# Altium PCB 10红外遥控OK.PcbDoc
Units mm, origin at the board's own origin, x right, y up, seen from the top; angles counter-clockwise.
Board outline 29.69 x 23.87 mm, 2 copper layers (Top Layer, Bottom Layer); 2 components, 7 nets, 20 pads, 18 vias.
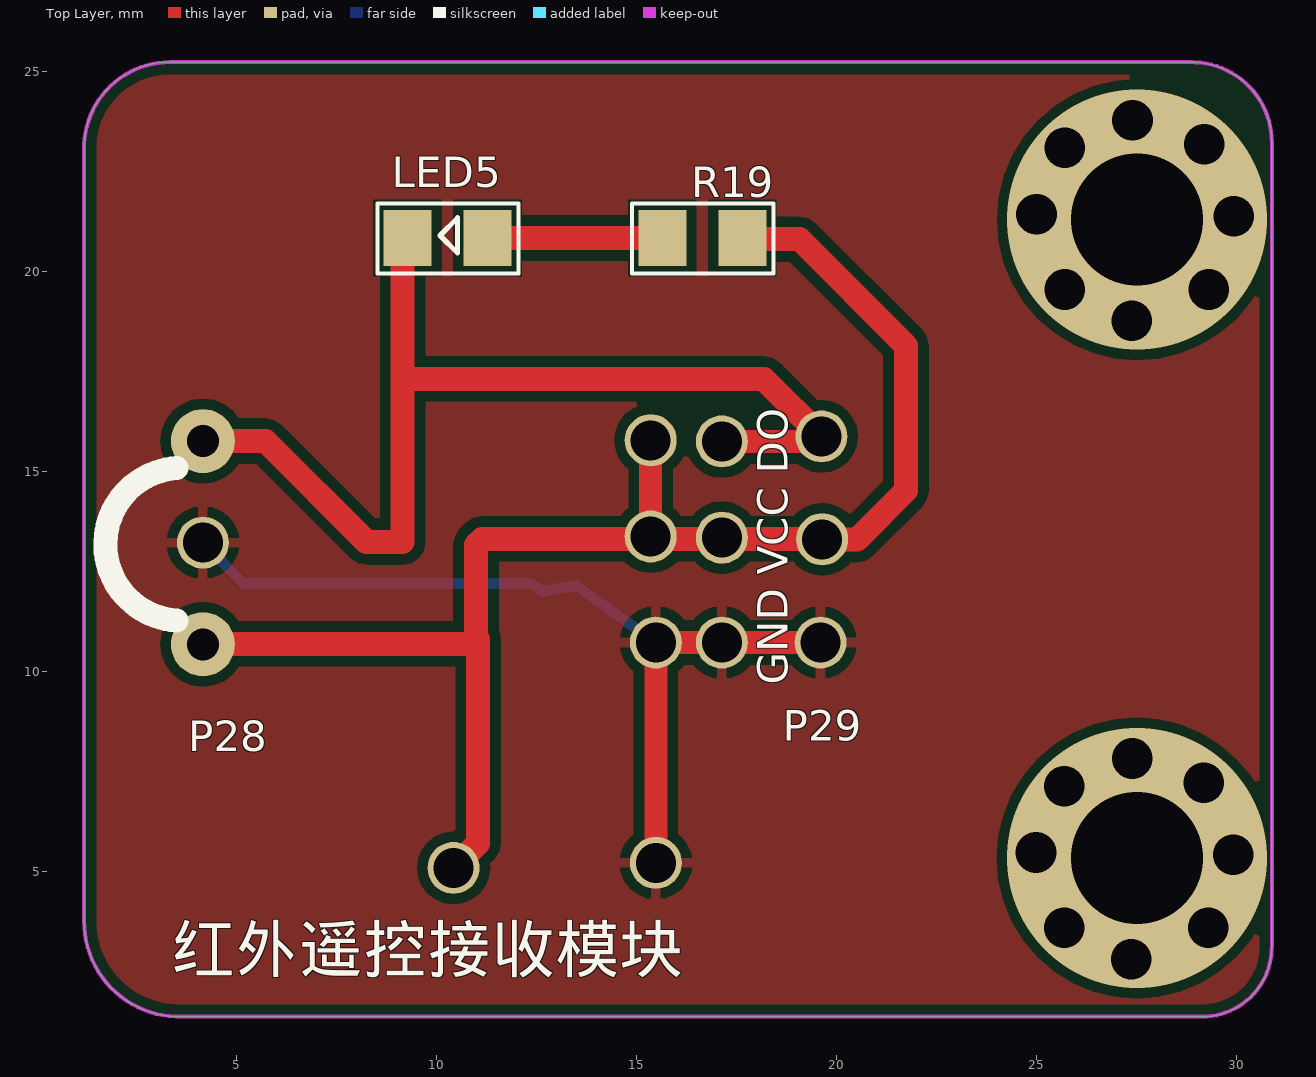
[diagram p0: Top Layer view]
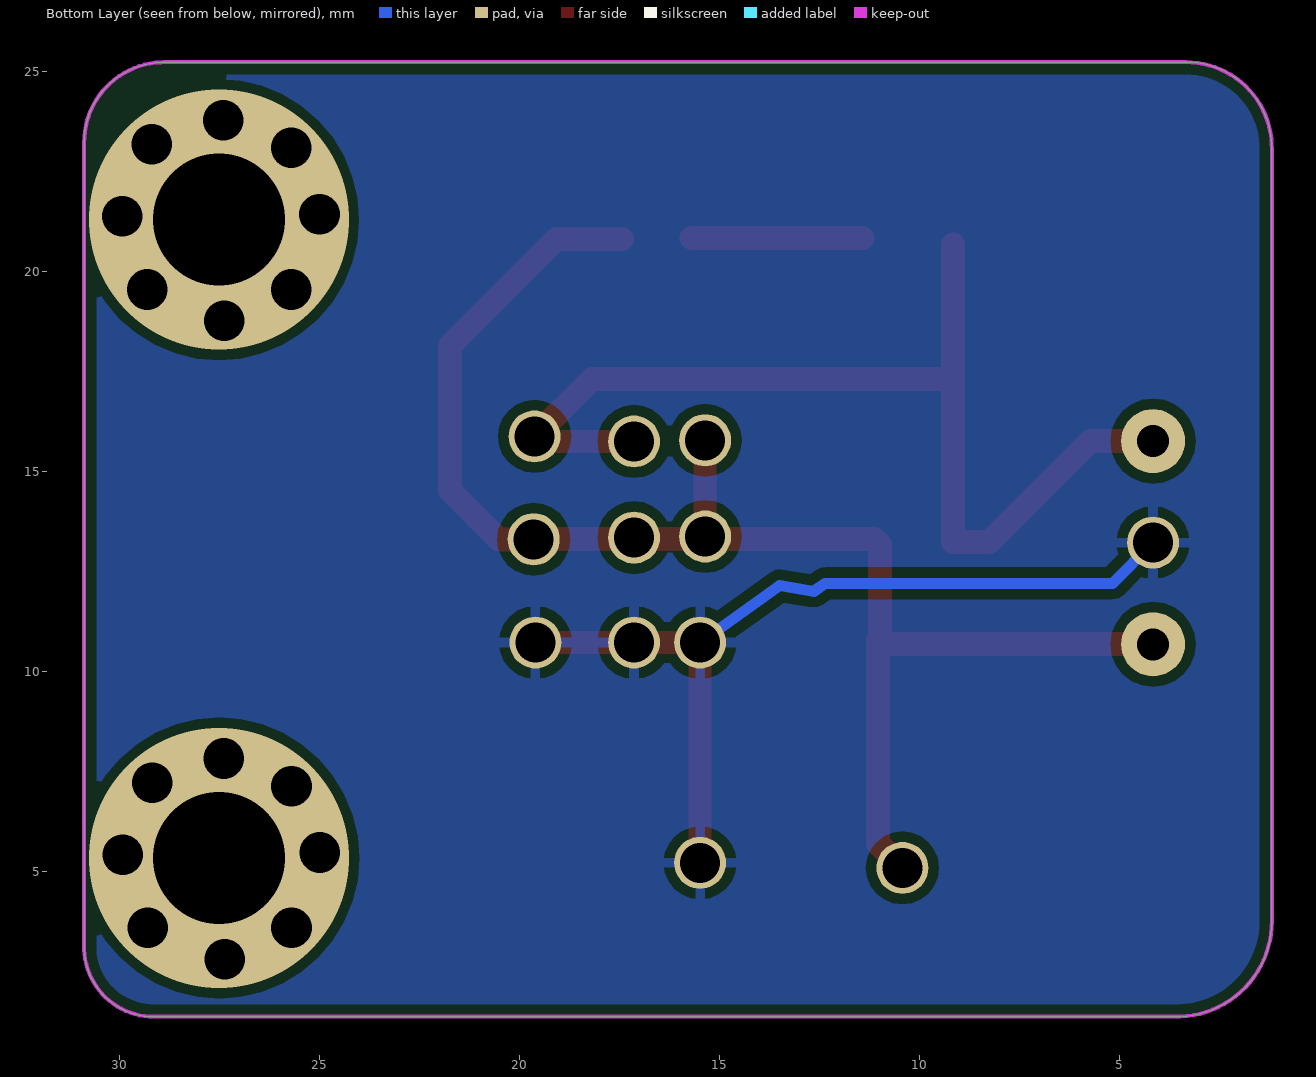
[diagram p1: Bottom Layer view, seen from below]

## Layer stack, top to bottom
Top Solder: solder mask 0.0102, Solder Resist, Dk 3.5
Top Layer: signal copper 0.0356
Dielectric1: dielectric 0.32, FR-4, Dk 4.8
Bottom Layer: signal copper 0.0356
Bottom Solder: solder mask 0.0102, Solder Resist, Dk 3.5

## Board outline
1.56,2.485 1.477,2.63 1.405,2.779 1.343,2.934 1.292,3.092 1.252,3.254 1.224,3.418 1.207,3.583 1.202,3.749 1.202,23.088 1.203,23.163 1.214,23.312 1.236,23.46 1.267,23.606 1.309,23.75 1.361,23.89 1.422,24.027 1.492,24.159 1.572,24.285 1.66,24.406 1.757,24.52 1.861,24.627 1.973,24.727 2.091,24.819 2.215,24.902 2.345,24.976 2.479,25.041 2.618,25.097 2.761,25.142 2.906,25.178 3.053,25.204 3.202,25.219 3.351,25.223 3.344,25.223 28.893,25.223 28.9,25.221 28.969,25.219 29.109,25.209 29.247,25.189 29.383,25.16 29.517,25.121 29.649,25.073 29.776,25.015 29.899,24.949 30.017,24.875 30.13,24.793 30.237,24.702 30.337,24.605 30.43,24.501 30.515,24.391 30.593,24.275 30.662,24.154 30.723,24.028 30.775,23.898 30.818,23.765 30.851,23.63 30.875,23.492 30.889,23.353 30.894,23.214 30.894,3.095 30.892,3.034 30.883,2.912 30.866,2.792 30.84,2.673 30.806,2.556 30.764,2.442 30.714,2.331 30.657,2.224 30.592,2.121 30.52,2.023 30.442,1.93 30.357,1.843 30.266,1.762 30.17,1.687 30.069,1.62 29.964,1.559 29.854,1.506 29.741,1.461 29.626,1.424 29.508,1.395 29.388,1.374 29.267,1.362 29.145,1.358 29.151,1.358 3.577,1.358 3.494,1.36 3.328,1.372 3.163,1.396 3.001,1.431 2.841,1.477 2.685,1.535 2.533,1.603 2.387,1.682 2.246,1.77 2.112,1.868 1.985,1.976 1.865,2.092 1.754,2.216 1.652,2.347

## Design rules (kind name [scope] priority, off if disabled: settings)
Clearance CAM_Clearance_2 [OnLayer('Top Layer')] p1: gap=0.254 ignorepadtopadclearanceinfootprint=FALSE except(0: Arc-Hole Track-Hole SMDPad-Hole THPad-Hole Via-Hole Fill-Hole Poly-Hole Region-Hole Text-Hole)
Clearance CAM_Clearance_1 [OnLayer('Bottom Layer')] p2: gap=0.254 ignorepadtopadclearanceinfootprint=FALSE except(0: Arc-Hole Track-Hole SMDPad-Hole THPad-Hole Via-Hole Fill-Hole Poly-Hole Region-Hole Text-Hole)
Clearance [All] p3: gap=0.254 ignorepadtopadclearanceinfootprint=FALSE except(0: Arc-Hole Track-Hole SMDPad-Hole THPad-Hole Via-Hole Fill-Hole Poly-Hole Region-Hole Text-Hole)
PolygonConnect PolygonConnect_1 [isvia] p1: connectstyle=Direct reliefconductorwidth=0.254 reliefentries=4 polygonreliefangle="90 Angle" airgapwidth=0.254
PolygonConnect [All] p2: connectstyle=Relief reliefconductorwidth=0.254 reliefentries=4 polygonreliefangle="90 Angle" airgapwidth=0.254
RoutingVias [All] p1: holewidth=0.711 width=1.27 viastyle="Through Hole" minholewidth=0.711 minwidth=1.27 maxholewidth=0.711 maxwidth=1.27
SilkToSolderMaskClearance SilkscreenOverComponentPads [IsPad] p1: minsilkscreentomaskgap=0.254 clearancetoexposedcopper=TRUE
SolderMaskExpansion [All] p1: expansion=0.102
Width CAM_Width_2 [OnLayer('Top Layer')] p1: maxlimit=0.625 minlimit=0.575 preferedwidth=0.6
Width CAM_Width_1 [OnLayer('Bottom Layer')] p2: maxlimit=0.279 minlimit=0.102 preferedwidth=0.127
Width [All] p3: maxlimit=0.254 minlimit=0.254 preferedwidth=0.254
29 further rules are at their usual default settings.

## Components (designator, comment, footprint, x,y, rotation, side; value= is the part's Value field where it differs from the comment)
LED5 "贴片LED" 0805-R 10.287,20.828 r180 top
R19 "1K 5%" 0805-R 16.656,20.828 r180 top

## Footprints (in the part's own frame and the unit in brackets; to place one, negate y for a bottom-side part, rotate by r counter-clockwise, add the part's x,y. Pads: shape width x height; smd on the part's side, far side on the other; paste and mask are expansions set on the pad)
0805-R [mm]
  rect 1.2x1.4 smd: 1(-1,0) 2(1,0)
  silkscreen extent -1.78,-0.86 1.75,0.89, body extent -0.97,-0.61 1.03,0.64, height 0.55

## Free pads (board coordinates)
  rect 0.66x1 smd paste+0 mask+0.102: 1(15.68,20.777) 1(17.495,20.788)
  round 1.6 hole 0.8: 12(4.17,10.67) 12(4.17,15.75)
  round 1.3 hole 1: 12(4.17,13.21) 13(10.437,5.08) 13(15.367,13.364) 13(15.367,15.77) 13(15.494,5.207) 13(15.494,10.713) 13(17.145,10.713) 13(17.145,13.335) 13(17.145,15.741) 13(19.612,10.713) 13(19.633,15.867) 13(19.654,13.295)

## Via types
v1: diameter 1.016, hole 1.016, Top Layer to Bottom Layer, 16 vias
v2: diameter 6.5, hole 3.3, Top Layer to Bottom Layer, 2 vias

## Nets (pads, with @x,y where several pads share a name; then routed paths per layer and width w, separated by ;. In a path a pad name is that pad's centre, name@x,y a point inside that pad or via, vN(x,y) a via of type N, cw(c..) or ccw(c..) an arc to the next point about the centre after c; other vN are vias at no path point)
$Net0: pad.12@4.17,13.21 pad.13@15.494,5.207 pad.13@15.494,10.713 pad.13@17.145,10.713 pad.13@19.612,10.713 | length 21.5
  Top Layer w0.575: pad.13@15.494,5.611 15.494,10.713 17.145,10.713 pad.13@19.612,10.713
  Bottom Layer w0.279: pad.12@4.17,13.21 5.189,12.192 12.371,12.192 12.648,11.994 13.506,12.136 pad.13@15.494,10.713
$Net1: 
$Net2: LED5.2 pad.12@4.17,15.75 pad.13@17.145,15.741 pad.13@19.633,15.867 | length 27
  Top Layer w0.575: pad.13@17.145,15.741 pad.13@19.549,15.741
  Top Layer w0.6: pad.12@4.17,15.75 5.737,15.75 8.267,13.221 9.166,13.221 LED5.2@9.166,20.661 ; pad.12@4.377,15.634 pad.12@4.584,15.634 ; 9.388,17.306 18.194,17.306 pad.13@19.654,15.846
$Net3: pad.1@17.495,20.788 pad.12@4.17,10.67 pad.13@10.437,5.08 pad.13@15.367,13.364 pad.13@15.367,15.77 pad.13@17.145,13.335 pad.13@19.654,13.295 R19.1 | length 37.8
  Top Layer w0.575: pad.13@15.367,13.335 15.367,13.364 pad.13@15.367,15.77 ; pad.13@17.145,13.306 pad.13@17.145,13.335
  Top Layer w0.6: pad.12@4.17,10.681 10.922,10.681 ; pad.13@10.437,5.08 11.052,5.695 11.052,10.795 ; 10.997,10.935 10.997,13.157 11.145,13.306 17.145,13.306 pad.13@19.675,13.306 ; R19.1@17.453,20.799 19.083,20.799 21.75,18.132 21.75,14.512 20.522,13.284 pad.13@19.675,13.284
$Net4: 
  other v1: 27.38,2.797 25.708,3.579 29.306,3.579 29.931,5.41 24.999,5.463 25.708,7.125 29.19,7.21 27.401,7.813
  other v2: 27.518,5.326
$Net5: 
  other v1: 27.391,18.757 25.718,19.54 29.316,19.54 29.941,21.371 25.009,21.424 25.718,23.085 29.2,23.17 27.411,23.774
  other v2: 27.528,21.286
$Net6: LED5.1 pad.1@15.68,20.777 R19.2 | length 4.3
  Top Layer w0.6: LED5.1@11.43,20.825 R19.2@15.711,20.825

## Polygon pours and split planes (outlines as drawn)
$Net0 on Top Layer "Top Layer-No Net" (solid, pour order 1013): 1.56,2.485 1.477,2.63 1.405,2.779 1.343,2.934 1.292,3.092 1.252,3.254 1.224,3.418 1.207,3.583 1.202,3.749 1.202,23.088 1.203,23.163 1.214,23.312 1.236,23.46 1.267,23.606 1.309,23.75 1.361,23.89 1.422,24.027 1.492,24.159 1.572,24.285 1.66,24.406 1.757,24.52 1.861,24.627 1.973,24.727 2.091,24.819 2.215,24.902 2.345,24.976 2.479,25.041 2.618,25.097 2.761,25.142 2.906,25.178 3.053,25.204 3.202,25.219 3.351,25.223 3.344,25.223 28.893,25.223 28.9,25.221 28.969,25.219 29.109,25.209 29.247,25.189 29.383,25.16 29.517,25.121 29.649,25.073 29.776,25.015 29.899,24.949 30.017,24.875 30.13,24.793 30.237,24.702 30.337,24.605 30.43,24.501 30.515,24.391 30.593,24.275 30.662,24.154 30.723,24.028 30.775,23.898 30.818,23.765 30.851,23.63 30.875,23.492 30.889,23.353 30.894,23.214 30.894,3.095 30.892,3.034 30.883,2.912 30.866,2.792 30.84,2.673 30.806,2.556 30.764,2.442 30.714,2.331 30.657,2.224 30.592,2.121 30.52,2.023 30.442,1.93 30.357,1.843 30.266,1.762 30.17,1.687 30.069,1.62 29.964,1.559 29.854,1.506 29.741,1.461 29.626,1.424 29.508,1.395 29.388,1.374 29.267,1.362 29.145,1.358 29.151,1.358 3.577,1.358 3.494,1.36 3.328,1.372 3.163,1.396 3.001,1.431 2.841,1.477 2.685,1.535 2.533,1.603 2.387,1.682 2.246,1.77 2.112,1.868 1.985,1.976 1.865,2.092 1.754,2.216 1.652,2.347
$Net0 on Bottom Layer "Top Layer-No Net1" (solid, pour order 1014): 1.56,2.485 1.477,2.63 1.405,2.779 1.343,2.934 1.292,3.092 1.252,3.254 1.224,3.418 1.207,3.583 1.202,3.749 1.202,23.088 1.203,23.163 1.214,23.312 1.236,23.46 1.267,23.606 1.309,23.75 1.361,23.89 1.422,24.027 1.492,24.159 1.572,24.285 1.66,24.406 1.757,24.52 1.861,24.627 1.973,24.727 2.091,24.819 2.215,24.902 2.345,24.976 2.479,25.041 2.618,25.097 2.761,25.142 2.906,25.178 3.053,25.204 3.202,25.219 3.351,25.223 3.344,25.223 28.893,25.223 28.9,25.221 28.969,25.219 29.109,25.209 29.247,25.189 29.383,25.16 29.517,25.121 29.649,25.073 29.776,25.015 29.899,24.949 30.017,24.875 30.13,24.793 30.237,24.702 30.337,24.605 30.43,24.501 30.515,24.391 30.593,24.275 30.662,24.154 30.723,24.028 30.775,23.898 30.818,23.765 30.851,23.63 30.875,23.492 30.889,23.353 30.894,23.214 30.894,3.095 30.892,3.034 30.883,2.912 30.866,2.792 30.84,2.673 30.806,2.556 30.764,2.442 30.714,2.331 30.657,2.224 30.592,2.121 30.52,2.023 30.442,1.93 30.357,1.843 30.266,1.762 30.17,1.687 30.069,1.62 29.964,1.559 29.854,1.506 29.741,1.461 29.626,1.424 29.508,1.395 29.388,1.374 29.267,1.362 29.145,1.358 29.151,1.358 3.577,1.358 3.494,1.36 3.328,1.372 3.163,1.396 3.001,1.431 2.841,1.477 2.685,1.535 2.533,1.603 2.387,1.682 2.246,1.77 2.112,1.868 1.985,1.976 1.865,2.092 1.754,2.216 1.652,2.347

## Keep-outs
Keep-Out Layer:
  lines w0.1: 1.202,3.741 1.202,23.081 ; 1.202,3.749 1.207,3.583 1.224,3.418 1.252,3.254 1.292,3.092 1.343,2.934 1.405,2.779 1.477,2.63 1.56,2.485 1.652,2.347 1.754,2.216 1.865,2.092 1.985,1.976 2.112,1.868 2.246,1.77 2.387,1.682 2.533,1.603 2.685,1.535 2.841,1.477 3.001,1.431 3.163,1.396 3.328,1.372 3.494,1.36 3.577,1.358 ; 1.202,23.088 1.203,23.163 1.214,23.312 1.236,23.46 1.267,23.606 1.309,23.75 1.361,23.89 1.422,24.027 1.492,24.159 1.572,24.285 1.66,24.406 1.757,24.52 1.861,24.627 1.973,24.727 2.091,24.819 2.215,24.902 2.345,24.976 2.479,25.041 2.618,25.097 2.761,25.142 2.906,25.178 3.053,25.204 3.202,25.219 3.351,25.223 ; 3.344,25.223 28.893,25.223 ; 3.585,1.358 29.151,1.358 ; 28.9,25.221 28.969,25.219 29.109,25.209 29.247,25.189 29.383,25.16 29.517,25.121 29.649,25.073 29.776,25.015 29.899,24.949 30.017,24.875 30.13,24.793 30.237,24.702 30.337,24.605 30.43,24.501 30.515,24.391 30.593,24.275 30.662,24.154 30.723,24.028 30.775,23.898 30.818,23.765 30.851,23.63 30.875,23.492 30.889,23.353 30.894,23.214 ; 29.145,1.358 29.267,1.362 29.388,1.374 29.508,1.395 29.626,1.424 29.741,1.461 29.854,1.506 29.964,1.559 30.069,1.62 30.17,1.687 30.266,1.762 30.357,1.843 30.442,1.93 30.52,2.023 30.592,2.121 30.657,2.224 30.714,2.331 30.764,2.442 30.806,2.556 30.84,2.673 30.866,2.792 30.883,2.912 30.892,3.034 30.894,3.095 ; 30.894,3.101 30.894,23.22

## Silkscreen, mask and mechanical layers (free items; w line width, h text height)
Top Overlay:
  lines w0.127: 10.096,20.892 10.541,21.336 10.541,20.447 10.096,20.892
  lines w0.6: 3.514,11.263 3.502,11.264 3.369,11.279 3.238,11.302 3.109,11.335 2.983,11.376 2.859,11.427 2.74,11.486 2.624,11.553 2.514,11.627 2.409,11.71 2.311,11.799 2.218,11.895 2.133,11.998 2.055,12.106 1.985,12.219 1.923,12.337 1.869,12.459 1.824,12.584 1.787,12.713 1.76,12.843 1.742,12.975 1.733,13.108 1.734,13.241 1.743,13.374 1.762,13.506 1.79,13.636 1.827,13.764 1.873,13.889 1.928,14.011 1.991,14.128 2.062,14.241 2.141,14.349 2.227,14.45 2.32,14.546 2.419,14.635 2.524,14.717 2.635,14.791 2.75,14.857 2.87,14.915 2.994,14.965 3.121,15.005 3.25,15.037 3.382,15.06 3.514,15.073
  text "GND VCC DO" at 18.796,9.652 h0.76 r90
  text "P29" at 18.669,8.255 h0.76
  text "P28" at 3.81,8.001 h0.76
  text "红外遥控接收模块" at 3.382,2.092 h2